# Altium PCB STANDBY_POWER_SUPPLY_V2.PcbDoc
Units mm, origin at the board's own origin, x right, y up, seen from the top; angles counter-clockwise.
Board outline 91 x 55 mm, 2 copper layers (Top Layer, Bottom Layer), stack 1.071 mm thick; 59 components, 35 nets, 137 pads, 19 vias.
Unrouted connection lines stored in the file: 1.
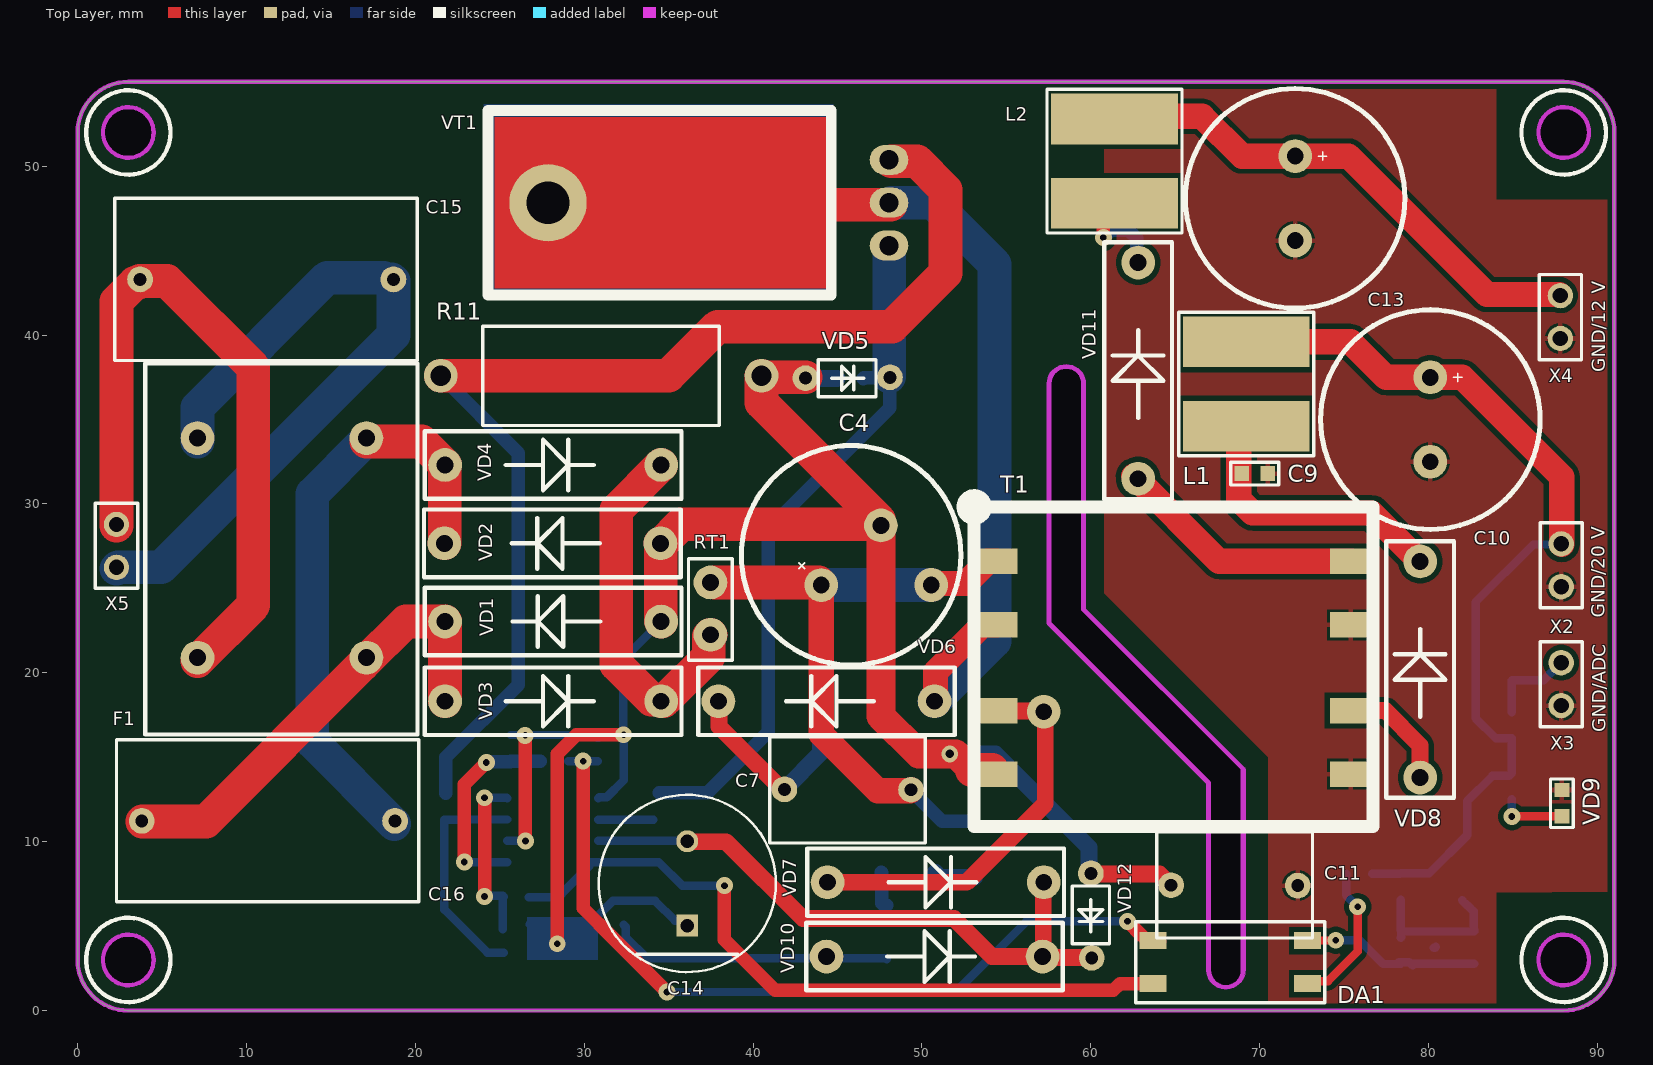
[diagram p0: Top Layer view]
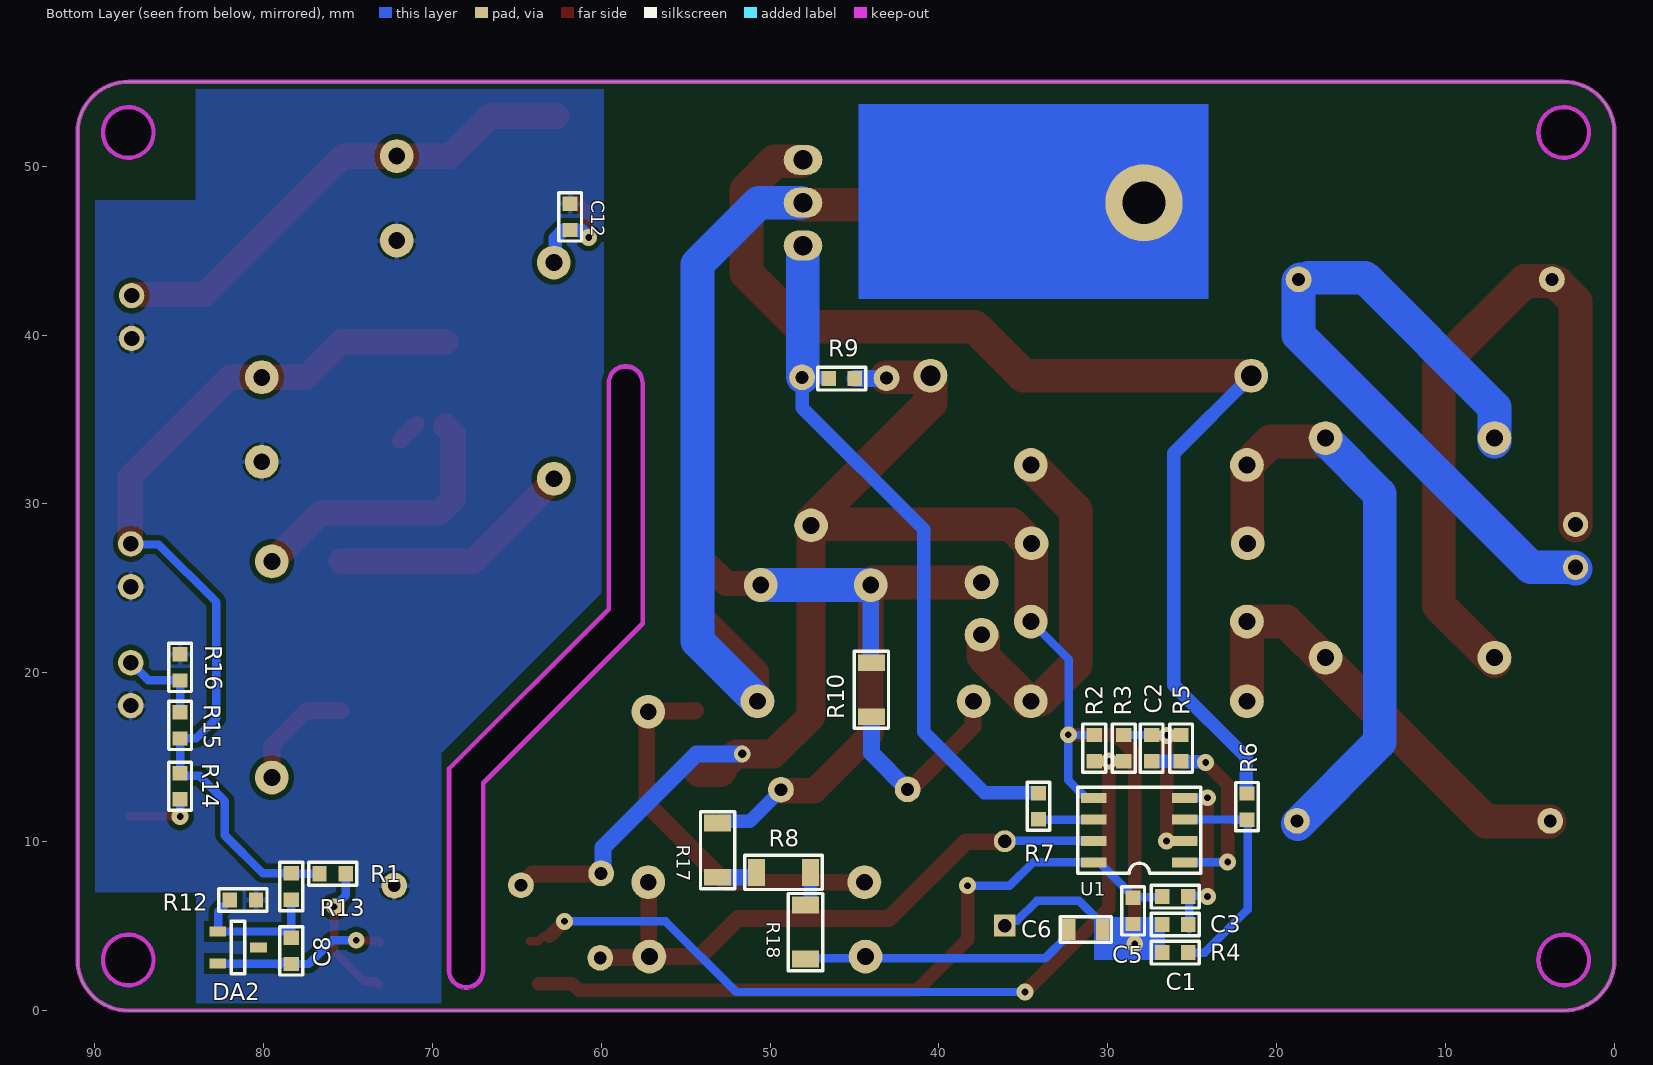
[diagram p1: Bottom Layer view, seen from below]
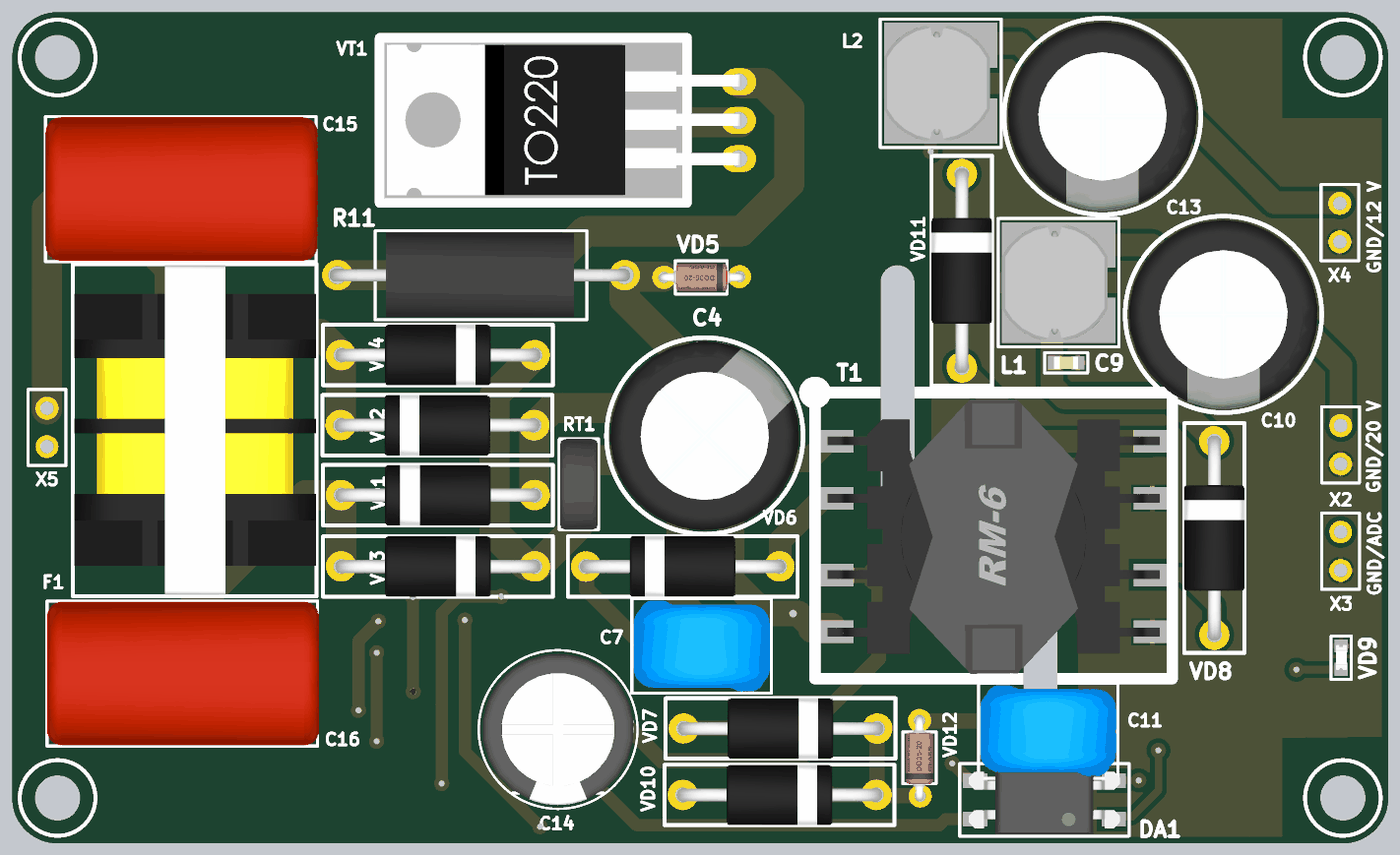
[diagram p2: 3D render of the assembled board from above, using the file's embedded part models]
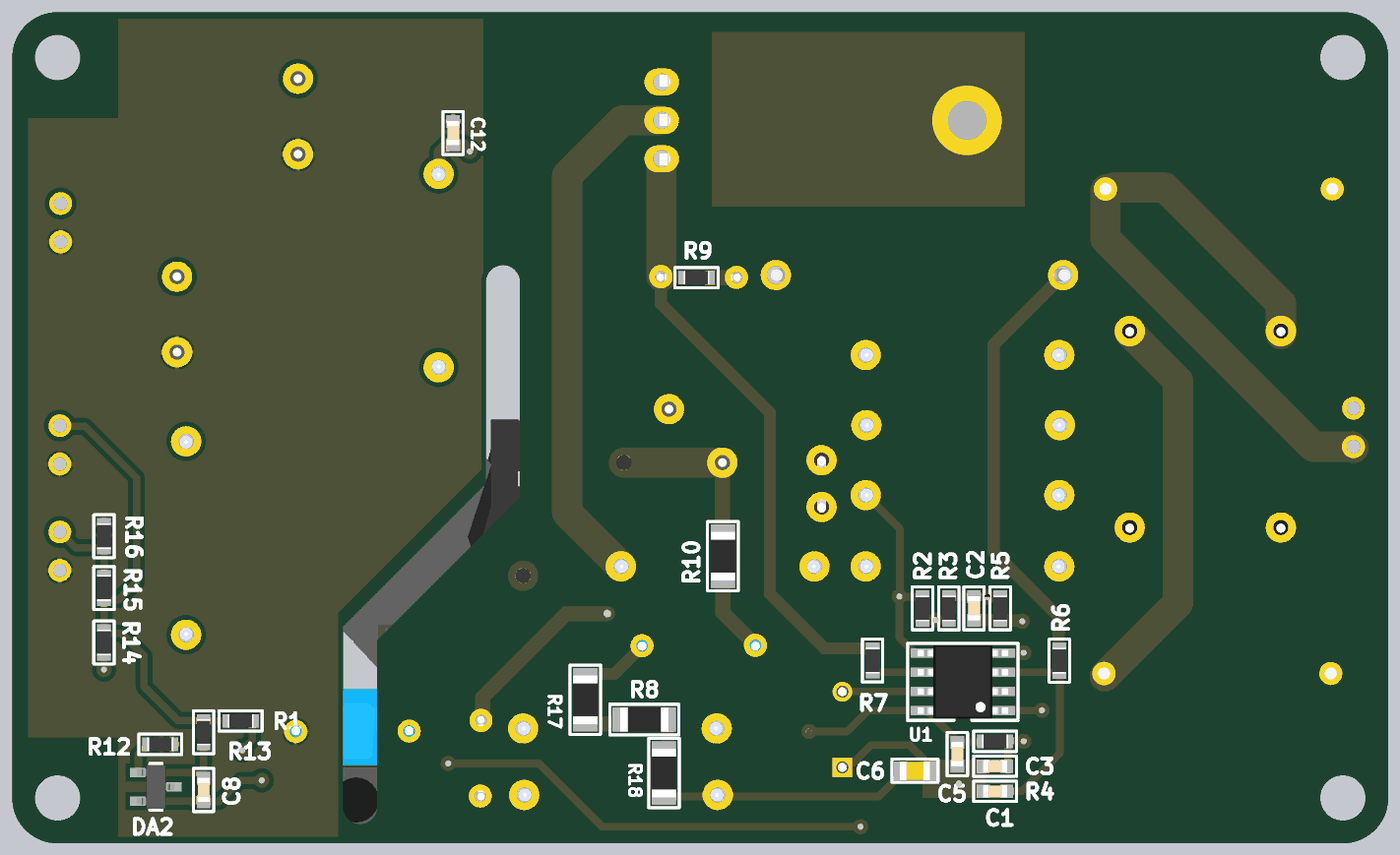
[diagram p3: 3D render of the assembled board from below, using the file's embedded part models]

## Layer stack, top to bottom
Top Solder: solder mask 0.0102, Solder Resist, Dk 3.5
Top Layer: signal copper 0.0356
Dielectric 1: dielectric 1, FR-4, Dk 4.8
Bottom Layer: signal copper 0.0356
Bottom Solder: solder mask 0.0102, Solder Resist, Dk 3.5

## Board outline
0,3 ccw(c3,3) 3,0 2.986,0.004 88,0.004 88,0 ccw(c88,3) 91,3 91,52 ccw(c88,52) 88,55 3,55 ccw(c3,52) 0,52
cut-out: 1.5,3 ccw(c3,3) 3,1.5 ccw(c3,3) 4.5,3 ccw(c3,3) 3,4.5 ccw(c3,3)
cut-out: 1.5,52 ccw(c3,52) 3,50.5 ccw(c3,52) 4.5,52 ccw(c3,52) 3,53.5 ccw(c3,52)
cut-out: 86.5,3 ccw(c88,3) 88,1.5 ccw(c88,3) 89.5,3 ccw(c88,3) 88,4.5 ccw(c88,3)
cut-out: 86.5,52 ccw(c88,52) 88,50.5 ccw(c88,52) 89.5,52 ccw(c88,52) 88,53.5 ccw(c88,52)
cut-out: 66.873,2.4 cw(c67,2.4) 66.873,2.414 66.873,13.446 57.457,22.863 cw(c57.547,22.953) 57.419,22.953 57.419,37.135 cw(c58.547,37.135) 59.674,37.135 59.674,23.806 69.09,14.39 cw(c69,14.3) 69.127,14.3 69.127,2.36 cw(c69,2.36) 69.126,2.339 cw(c68,2.4) 66.874,2.355 cw(c68.001,2.4)

## Design rules (kind name [scope] priority, off if disabled: settings)
Clearance [All] p1: gap=0.3 ignorepadtopadclearanceinfootprint=FALSE except(0.2: Arc-Arc Arc-Track Track-Track)
DiffPairsRouting [All] p1: maxlimit=0.254 minlimit=0.254 mostfreqgap=0.254 substack1={A23D90DD-733B-49C5-8102-56B3D284E3A0} toplayer_{a23d90dd-733b-49c5-8102-56b3d284e3a0}_minwidth=0.381 toplayer_{a23d90dd-733b-49c5-8102-56b3d284e3a0}_maxwidth=0.381 toplayer_{a23d90dd-733b-49c5-8102-56b3d284e3a0}_prefwidth=0.381 bottomlayer_{a23d90dd-733b-49c5-8102-56b3d284e3a0}_minwidth=0.381 bottomlayer_{a23d90dd-733b-49c5-8102-56b3d284e3a0}_maxwidth=0.381 bottomlayer_{a23d90dd-733b-49c5-8102-56b3d284e3a0}_prefwidth=0.381 toplayer_minwidth=0.381 toplayer_maxwidth=0.381 toplayer_prefwidth=0.381 bottomlayer_minwidth=0.381 bottomlayer_maxwidth=0.381 bottomlayer_prefwidth=0.381 substack2={0B3DB408-A969-412D-8C07-BA8AE97219D9} toplayer_{0b3db408-a969-412d-8c07-ba8ae97219d9}_minwidth=0.381 toplayer_{0b3db408-a969-412d-8c07-ba8ae97219d9}_maxwidth=0.381 toplayer_{0b3db408-a969-412d-8c07-ba8ae97219d9}_prefwidth=0.381 bottomlayer_{0b3db408-a969-412d-8c07-ba8ae97219d9}_minwidth=0.381 bottomlayer_{0b3db408-a969-412d-8c07-ba8ae97219d9}_maxwidth=0.381 bottomlayer_{0b3db408-a969-412d-8c07-ba8ae97219d9}_prefwidth=0.381 substack3={378827E6-B38F-4565-9D2F-710D8D441C30} toplayer_{378827e6-b38f-4565-9d2f-710d8d441c30}_minwidth=0.381 toplayer_{378827e6-b38f-4565-9d2f-710d8d441c30}_maxwidth=0.381 toplayer_{378827e6-b38f-4565-9d2f-710d8d441c30}_prefwidth=0.381 bottomlayer_{378827e6-b38f-4565-9d2f-710d8d441c30}_minwidth=0.381 bottomlayer_{378827e6-b38f-4565-9d2f-710d8d441c30}_maxwidth=0.381 bottomlayer_{378827e6-b38f-4565-9d2f-710d8d441c30}_prefwidth=0.381 substack4={1E65D4A7-266F-4925-B814-5E9C4A66F8EE} toplayer_{1e65d4a7-266f-4925-b814-5e9c4a66f8ee}_minwidth=0.381 toplayer_{1e65d4a7-266f-4925-b814-5e9c4a66f8ee}_maxwidth=0.381 toplayer_{1e65d4a7-266f-4925-b814-5e9c4a66f8ee}_prefwidth=0.381 bottomlayer_{1e65d4a7-266f-4925-b814-5e9c4a66f8ee}_minwidth=0.381 bottomlayer_{1e65d4a7-266f-4925-b814-5e9c4a66f8ee}_maxwidth=0.381 bottomlayer_{1e65d4a7-266f-4925-b814-5e9c4a66f8ee}_prefwidth=0.381 substack5={93C5D03E-862D-45F8-9871-970EEA9B3F11} toplayer_{93c5d03e-862d-45f8-9871-970eea9b3f11}_minwidth=0.381 toplayer_{93c5d03e-862d-45f8-9871-970eea9b3f11}_maxwidth=0.381 toplayer_{93c5d03e-862d-45f8-9871-970eea9b3f11}_prefwidth=0.381 bottomlayer_{93c5d03e-862d-45f8-9871-970eea9b3f11}_minwidth=0.381 bottomlayer_{93c5d03e-862d-45f8-9871-970eea9b3f11}_maxwidth=0.381 bottomlayer_{93c5d03e-862d-45f8-9871-970eea9b3f11}_prefwidth=0.381 maxuncoupledlength=12.7
HoleSize [All] p1: absolutevalues=TRUE maxlimit=6 minlimit=0.01 maxpercent=80.000 minpercent=20.000
HoleToHoleClearance [All] p1: gap=0.1 allowstackedmicrovias=TRUE
MinimumSolderMaskSliver [All] p1: minsoldermaskwidth=0.1
PlaneConnect [All] p1: pad.planeconnectstyle=Relief pad.reliefexpansion=0.5 pad.reliefentries=4 pad.reliefconductorwidth=0.5 pad.reliefairgap=0.15 via.planeconnectstyle=Direct via.reliefexpansion=0.5 via.reliefentries=4 via.reliefconductorwidth=0.5 via.reliefairgap=0.15
PolygonConnect VQFN20 [HasFootprint('VQFN20')] p1: connectstyle=Direct reliefconductorwidth=0.254 reliefentries=4 polygonreliefangle="90 Angle" airgapwidth=0.254
PolygonConnect [All] p2: thpad.connectstyle=Relief thpad.reliefconductorwidth=0.3 thpad.reliefentries=4 thpad.polygonreliefangle="90 Angle" thpad.airgapwidth=0.15 smdpad.connectstyle=Relief smdpad.reliefconductorwidth=0.3 smdpad.reliefentries=4 smdpad.polygonreliefangle="90 Angle" smdpad.airgapwidth=0.15 via.connectstyle=Direct via.reliefconductorwidth=0.3 via.reliefentries=4 via.polygonreliefangle="90 Angle" via.airgapwidth=0.15
RoutingVias [All] p1: holewidth=0.1 width=0.1 viastyle="Through Hole" minholewidth=0 minwidth=0.3 maxholewidth=2 maxwidth=4
ShortCircuit [All] p1: allowed=TRUE
SilkToSolderMaskClearance [IsPad] p1: minsilkscreentomaskgap=0.1 clearancetoexposedcopper=TRUE
SolderMaskExpansion SolderMaskExpansion_Via [IsVia] p1: expansion=0.102 istentingtop=TRUE
SolderMaskExpansion [All] p2: expansion=0.01 istentingtop=FALSE
UnRoutedNet [All] p1: checkbadconnections=TRUE
Width [All] p1: maxlimit=5 minlimit=0.2 preferedwidth=0.3 substack1={A23D90DD-733B-49C5-8102-56B3D284E3A0} substack2={0B3DB408-A969-412D-8C07-BA8AE97219D9} substack3={378827E6-B38F-4565-9D2F-710D8D441C30} substack4={1E65D4A7-266F-4925-B814-5E9C4A66F8EE} substack5={93C5D03E-862D-45F8-9871-970EEA9B3F11}
22 further rules are at their usual default settings.

## Components (designator, comment, footprint, x,y, rotation, side; value= is the part's Value field where it differs from the comment)
C1 "CAP-NON-POLAR" CAP-0603 26,3.438 r180 bottom value="50V 47pF"
C2 "CAP-NON-POLAR" CAP-0603 27.4,15.545 r270 bottom value="50V 10nF"
C3 "CAP-NON-POLAR" CAP-0603 26,5.1 r180 bottom value="50V 100nF"
C4 "CAP-POLAR" CAPPOL-12x25 45.8,26.963 r45 top value="450V 10uF"
C5 "CAP-NON-POLAR" CAP-0603 28.5,5.9 r270 bottom value="50V 10nF"
C6 "50V 10nF" CAP-0805 31.3,4.8 r180 bottom value="50V 100nF"
C7 "CAP-NON-POLAR" CAP-V5 45.6,13.05 r0 top value="400V 10nF"
C8 "CAP-NON-POLAR" CAP-0603 78.346,3.533 r270 bottom value="50V 47nF"
C9 "CAP-NON-POLAR" CAP-0603 69.7,31.8 r180 top value="50V 1uF"
C10 "CAP-POLAR" CAPPOL-12x25 80.1,35 r270 top value="25V 2200uF"
C11 "CAP-NON-POLAR" CAP-V5 68.5,7.45 r180 top value="400V 2200pF"
C12 "CAP-NON-POLAR" CAP-0603 61.84,47 r270 bottom value="50V 1uF"
C13 "CAP-POLAR" CAPPOL-12x25 72.1,48.1 r270 top value="25V 2200uF"
C14 "ECA1VHG471B" FP-RAD-TH-D_10_0_5-L_16_1-MFG 36.1,7.529 r90 top
C15 "CAP-NON-POLAR" CAP-V15 11.2,43.3 r180 top value="630V 100nF"
C16 "CAP-NON-POLAR" CAP-V15 11.3,11.235 r180 top value="630V 100nF"
DA1 "PC817" 4-SMD 68.259,2.87 r180 top
DA2 "TL431" SOT23-3 81.5,3.735 r180 bottom
F1 "FILTER" FILTER_1 12.1,27.4 r90 top value=0,65A
L1 "IND-CONST" IND-7850 69.2,37.1 r90 top value=33uH
L2 "IND-CONST" IND-7850 61.4,50.3 r90 top value=33uH
R1 "RES-CONST" RES-0603 75.9,8.1 r180 bottom value="3.3KΩ ±1%"
R2 "RES-CONST" RES-0603 30.8,15.545 r270 bottom value="220 Ω ±1%"
R3 "RES-CONST" RES-0603 29.055,15.545 r90 bottom value="3.9KΩ  ±1%"
R4 "RES-CONST" RES-0603 26,6.75 r180 bottom value="680 Ω  ±1%"
R5 "RES-CONST" RES-0603 25.655,15.545 r270 bottom value="100KΩ ±1%"
R6 "RES-CONST" RES-0603 21.755,12.085 r90 bottom value="1KΩ ±1%"
R7 "RES-CONST" RES-0603 34.1,12.1 r90 bottom value="22 Ω ±1%"
R8 "RES-CONST" RES-1206 49.2,8.189 r180 bottom value="33KΩ ±1%"
R9 "RES-CONST" RES-0603 45.749,37.427 r0 bottom value="10KΩ ±1%"
R10 "RES-CONST" RES-1206 44,19 r90 bottom value="22KΩ ±1%"
R11 "RES-CONST" RES-2W 31,37.6 r180 top value="2.2Ω  2W"
R12 "RES-CONST" RES-0603 81.21,6.549 r0 bottom value="4.7KΩ ±1%"
R13 "RES-CONST" RES-0603 78.346,7.349 r90 bottom value="33KΩ ±1%"
R14 "RES-CONST" RES-0603 84.93,13.29 r90 bottom value="2.7KΩ ±1%"
R15 "RES-CONST" RES-0603 84.93,16.89 r270 bottom value="100KΩ ±1%"
R16 "RES-CONST" RES-0603 84.93,20.323 r270 bottom value="10KΩ ±1%"
R17 "RES-CONST" RES-1206 53.1,9.5 r270 bottom value="33KΩ ±1%"
R18 "RES-CONST" RES-1206 47.9,4.65 r270 bottom value="33KΩ ±1%"
RT1 "RES-TEMP" RES-V5 37.475,23.753 r270 top value="10Ω ±1% 0,7A"
T1 "TRANS_RM6" TRANS_RM6 64.9,20.3 r0 top locked value=XX
U1 "UC3842B" SOIC8-150 28.134,10.68 r0 bottom
VD1 "FR207" FR207 28.155,23.04 r0 top value="1000V 2A"
VD2 "FR207" FR207 28.115,27.67 r0 top value="1000V 2A"
VD3 "FR207" FR207 28.155,18.32 r180 top value="1000V 2A"
VD4 "FR207" FR207 28.155,32.31 r180 top value="1000V 2A"
VD5 "DIODE" DO-35 45.6,37.45 r180 top value="15V 2W"
VD6 "FR207" FR207 44.343,18.32 r0 top locked value="1000V 2A"
VD7 "FR207" FR207 50.812,7.6 r180 top value="1000V 2A"
VD8 "FR207" FR207 79.5,20.2 r270 top value="1000V 2A"
VD9 "LED" LED-0603 87.891,12.29 r270 top value=RED
VD10 "FR207" FR207 50.743,3.2 r180 top value="1000V 2A"
VD11 "FR207" FR207 62.8,37.895 r270 top value="1000V 2A"
VD12 "DIODE" DO-35 60,5.625 r90 top value="15V 2W"
VT1 "MOSFET-N-GDS" TO-220(bend2) 36.872,47.586 r90 top value="200V 18A"
X2 "GND/20 V" CONN-PLS-2-2.54mm 87.852,27.64 r270 top value=PLS
X3 "GND/ADC" CONN-PLS-2-2.54mm 87.852,20.6 r270 top value=PLS
X4 "GND/12 V" CONN-PLS-2-2.54mm 87.8,42.34 r270 top value=PLS
X5 "IN 220" CONN-PLS-2-2.54mm 2.3,26.25 r90 top value=PLS

## Footprints (in the part's own frame and the unit in brackets; to place one, negate y for a bottom-side part, rotate by r counter-clockwise, add the part's x,y. Pads: shape width x height; smd on the part's side, far side on the other; paste and mask are expansions set on the pad)
4-SMD [mm]
  rect 1.6x1 smd: 1(-4.575,1.27) 2(-4.575,-1.27) 3(4.575,-1.27) 4(4.575,1.27)
  silkscreen extent -5.6,-2.4 5.6,2.4, body extent -5,-2.29 5,2.29, height 3.85
CAP-0603 [mm]
  rect 0.85x0.9 smd: 1(-0.775,0) 2(0.775,0)
  silkscreen extent -1.43,-0.67 1.43,0.67, body extent -0.8,-0.4 0.8,0.4, height 0.8
CAP-0805 [mm]
  rect 0.8x1.25 smd mask+0.015: 1(-1,0) 2(1,0)
  silkscreen extent -1.52,-0.76 1.52,0.76, body extent -1,-0.62 1,0.63, height 0.8
CAP-V5 [mil]
  round 60 hole 30: 1(-147.64,1.97) 2(147.64,0.98)
  silkscreen extent -182,-123 181,124, body extent -177,-118 177,118, height 630
CAP-V15 [mil]
  round 60 hole 30: 1(-295.28,0) 2(295.28,0)
  silkscreen extent -350,-189 354,189, body extent -354,-187 354,187, height 650
CAPPOL-12x25 [mm]
  round 2 hole 1: 1(-2.5,0) 2(2.5,0)
  silkscreen extent -6.5,-6.5 6.5,6.5, body extent -6.25,-6.25 6.25,6.25, height 25
CONN-PLS-2-2.54mm [mm]
  round 1.5 hole 0.9: 1(0,0) 2(2.54,0)
  silkscreen extent -1.25,-1.25 3.79,1.25
DO-35 [mil]
  round 60 hole 30: 1(-98.43,-1.97) 2(98.43,0)
  silkscreen extent -66,-43 69,43, body extent -111,-35 111,35, height 72
FILTER_1 [mm]
  round 2 hole 1: 1(-6.5,5) 2(6.5,5) 3(6.5,-5) 4(-6.5,-5)
  silkscreen extent -11.05,-8.03 10.92,8.1, body extent -10.95,-8 10.85,8, height 24.48
FP-RAD-TH-D_10_0_5-L_16_1-MFG [mm]
  rect 1.3x1.3 hole 0.8 paste-1000 mask+0: 1(-2.5,0)
  round 1.3 hole 0.8 paste-1000 mask+0: 2(2.5,0)
  silkscreen extent -5.25,-5.25 5.25,5.25, body extent -5.35,-5.35 5.35,5.35, height 0.25
FR207 [mm]
  round 2 hole 1: 1(-6.4,0) 2(6.4,0)
  silkscreen extent -7.6,-2 7.6,2, body extent -6.78,-2 6.78,2, height 4.5
IND-7850 [mm]
  rect 3x7.5 smd: 1(-2.5,0) 2(2.5,0)
  silkscreen extent -4.25,-4 4.25,4, body extent -3.81,-3.25 3.81,3.75, height 4.9
LED-0603 [mm]
  rect 0.85x0.9 smd: 1(-0.775,0) 2(0.775,0)
  silkscreen extent -1.43,-0.67 1.45,0.67, body extent -0.82,-0.36 0.83,0.36, height 0.68
RES-2W [mm]
  round 2 hole 1.2: 1(-9.5,0) 2(9.5,0)
  silkscreen extent -7,-2.93 7,2.95, body extent -9.86,-2.79 10.01,2.79, height 5.59
RES-0603 [mm]
  rect 0.85x0.9 smd: 1(-0.775,0) 2(0.775,0)
  silkscreen extent -1.43,-0.67 1.43,0.67, body extent -0.85,-0.45 0.85,0.45, height 0.55
RES-1206 [mm]
  rect 1x1.6 smd: 1(-1.6,0) 2(1.6,0)
  silkscreen extent -2.29,-1.02 2.29,1.02, body extent -1.6,-0.8 1.6,0.8, height 0.6
RES-V5 [mm]
  round 2 hole 1: 1(-1.6,0) 2(1.5,0)
  silkscreen extent -3,-1.3 3,1.3, body extent -3,-1.25 3,1.25, height 14
SOIC8-150 [mm]
  rect 1.5x0.6 smd: 1(-2.7,1.905) 2(-2.7,0.635) 3(-2.7,-0.635) 4(-2.7,-1.905) 5(2.7,-1.905) 6(2.7,-0.635) 7(2.7,0.635) 8(2.7,1.905)
  silkscreen extent -3.65,-2.55 3.65,2.55, body extent -3,-2.45 3,2.45, height 1.75
SOT23-3 [mm]
  rect 1x0.6 smd: 1(-1.2,0.95) 2(-1.2,-0.95) 3(1.2,0)
  silkscreen extent -0.4,-1.55 0.4,1.55, body extent -1.25,-1.46 1.23,1.46, height 1.02
TO-220(bend2) [mil]
  oval 70x90 hole 45: 1(-90,-440) 2(10,-440) 3(110,-440)
  round 180 hole 100: 2(10,355)
  Top Layer region: -190.01,-300 209.99,-300 209.99,480 -190.01,480
  Bottom Layer region: -215.01,-310 239.99,-310 239.99,505 -215.01,505
  silkscreen extent -205,-305 225,495, body extent -185,-446 208,476, height 179
TRANS_RM6 [mm]
  rect 2.5x1.5 smd: 1(-10.5,6.3) 2(-10.5,2.54) 3(-10.5,-2.54) 4(-10.5,-6.3) 5(10.5,-6.3) 6(10.5,-2.54) 7(10.5,2.54) 8(10.5,6.3)
  silkscreen extent -12.51,-9.4 11.81,10.22, body extent -11,-9.08 11,9.08, height 12.68

## Part data
C1 C2 C3 C5 C8 C9 C12 L1 L2 R7 VD9: library part 2, Part Number=2, №=2
  L1 L2: ID=L-0002
  R7: ID=R-0002
  VD9: ID=O-0002
C4: library part 15, Part Number=15, №=15
C6: library part 17, Part Number=17, №=17
C7 C11: library part 6, Part Number=6, №=6
C10 C13: library part 16, Part Number=16, №=16
C14: library part CMP-05427-001499-1, "Aluminum Electrolytic Capacitors (Radial Lead Type) AEC-Q200 Qualified 470uF ±20% 35V", Capacitance=470uF, Case/Package=Radial, Max Operating Temperature=105°C, Min Operating Temperature=-55°C, Package Quantity=500, Ripple Current=460mA, Tolerance=20%, Voltage Rating=35V, Construction=RADIAL, Contact Plating=Tin, Diameter=10mm, Height=16mm, Height - Seated (Max)=0.669inch, Lead Diameter=0.6mm, Lead Pitch=5mm, Lead/Base Style=Straight, Length=16mm, Life (Hours)=2000Hour, Mount="Through Hole", Packaging="Tape and Reel", Polarity=Polar, Radiation Hardening=No, RoHS Compliant=Yes, Series=NHG, Termination=Radial, Voltage Rating (DC)=35V
C15 C16: library part 18, Part Number=18, №=18
DA1 X2 X3 X4 X5: library part 1, Part Number=1, №=1
  DA1: ID=O-0001
  X2 X3 X4 X5: ID=X-0001
F1: library part DSF9L223А025, ID=M-0004, Part Number=DSF9L223А025, №=4
R1: library part 40, ID=R-0040, Part Number=40, №=40
R2: library part 22, ID=R-0022, Part Number=22, №=22
R3: library part 41, ID=R-0041, Part Number=41, №=41
R4: library part 33, ID=R-0033, Part Number=33, №=33
R5 R15: library part 73, ID=R-0073, Part Number=73, №=73
R6: library part 37, ID=R-0037, Part Number=37, №=37
R8 R17 R18: library part 206, ID=R-0206, Part Number=206, №=206
R9 R16: library part 50, ID=R-0050, Part Number=50, №=50
R10: library part 207, ID=R-0207, Part Number=207, №=207
R11: library part 205, ID=R-0205, Part Number=205, №=205
R12: library part 42, ID=R-0042, Part Number=42, №=42
R13: library part 62, ID=R-0062, Part Number=62, №=62
R14: library part 39, ID=R-0039, Part Number=39, №=39
RT1: library part KLS6-MF72-10D5, ID=R-0208, Part Number=KLS6-MF72-10D5, №=208
T1: library part 4, Part Number=4, №=4
VD5 VD12: library part BZX55C15V, ID=D-0755, Part Number=BZX55C15V, №=13
VT1: library part IRF640_, ID=T-0008, Part Number=IRF640_, №=8
DA2: ID=I-0009, Part Number=TL431, №=9
U1: ID=I-0005, Part Number=UC3842B, №=5
VD1 VD2 VD3 VD4 VD6 VD7 VD8 VD10 VD11: ID=D-0754, Part Number=FR207, №=12

## Via types
v1: diameter 1, hole 0.4, Top Layer to Bottom Layer, tented both sides, 16 vias
v2: diameter 2, hole 1, Top Layer to Bottom Layer, tented both sides, 2 vias
v3: diameter 1, hole 0.5, Top Layer to Bottom Layer, tented both sides, 1 vias

## Nets (pads, with @x,y where several pads share a name; then routed paths per layer and width w, separated by ;. In a path a pad name is that pad's centre, name@x,y a point inside that pad or via, vN(x,y) a via of type N, cw(c..) or ccw(c..) an arc to the next point about the centre after c; other vN are vias at no path point)
+20V: C10.1 L1.2 R1.1 R13.2 R14.2 R15.2 X2.1 | length 56
  Top Layer w1.5: L1.2 75.383,39.6 77.483,37.5 82,37.5 87.879,31.621 X2.1@87.879,27.614
  Bottom Layer w0.5: R1.1 78.322,8.1 R13.2 80.024,8.124 82.285,10.385 82.285,12.405 83.78,13.9 84.765,13.9 R14.2 R15.2 83.985,16.115 82.785,17.315 82.785,24.185 86.2,27.6 87.812,27.6 X2.1
+300V: C4.1 C7.2 R10.2 R17.1 RT1.1 T1.1 | length 41.7
  Top Layer w1.5: RT1.1@37.676,25.409 RT1.1@37.731,25.353 ; C4.1@43.874,25.353 C4.1 44.032,16.368 47.375,13.025 49.3,13.025 C7.2 ; v2(50.546,25.195) 50.642,25.291 52.591,25.291 53.9,26.6 T1.1
  Top Layer w2: RT1.1@37.731,25.353 C4.1@43.874,25.353
  Bottom Layer w0.8: C7.2@49.65,12.75 51.2,11.2 53,11.2 R17.1
  Bottom Layer w1: R10.2 44.032,20.6 C4.1
  Bottom Layer w2: C4.1 v2(50.546,25.195)
GND: C1.1 C3.1 C4.2 C5.2 C6.2 C11.2 C14.1 R2.1 R9.1 R11.1 T1.4 U1.5 VD1.2 VD2.2 VD5.2 VD12.2 | length 111.2
  Top Layer w0.8: v1(28.4,3.956) 28.4,15.2 29.537,16.337 v1(32.334,16.337)
  Top Layer w1: VD12.2@60.025,8.1 64.075,8.1 C11.2
  Top Layer w1.7: C4.2 47.568,17.432 49.8,15.2 52,15.2 52.95,14.25
  Top Layer w2: VD1.2 34.535,23.06 34.535,27.65 VD2.2 34.601,27.67 35.731,28.8 47.3,28.8 C4.2@47.376,28.876 ; VD5.2@43.1,37.5 40.6,37.5 R11.1 40.5,36 47.472,29.028 47.472,28.826 C4.2@47.5,28.798 ; 52.95,14.25 T1.4@54.15,14.25
  Bottom Layer w0.5: C3.1 26.775,5.125 26.8,5.15 27.134,5.15 27.159,5.175 28.14,5.175 28.166,5.2 C5.2@28.3,5.2 ; v1(28.4,3.956) 28.7,4.256 v1@28.7,4.275 ; C5.2@28.55,5.2 28.834,5.2 28.86,5.175 30.449,5.175 30.45,5.265 31.685,6.5 34.2,6.5 35.37,5.33 36.07,5.33 C14.1@36.4,5 ; R2.1 v1@32.317,16.32 ; U1.5 30.884,12.635 31.334,12.635 32.334,13.635 v1(32.334,16.337) 32.3,16.372 32.3,20.785 VD1.2
  Bottom Layer w0.8: R2.1@30.783,16.337 R2.1 ; v1@32.317,16.32 v1(32.334,16.337)
  Bottom Layer w1: VD5.2 43.123,37.427 R9.1 ; v3(51.643,15.2) 54.35,15.2 59.9,9.65 59.9,8.225 VD12.2
GND_1: C9.1 C10.2 C11.1 C12.1 C13.2 DA2.3 R12.1 R16.1 T1.5 T1.7 VD9.1 X2.2 X3.2 X4.2 | length 0.7
  Top Layer w0.5: X3.2@87.727,18.185 X3.2
  Top Layer w0.8: C10.2@79.87,32.73 C10.2
  Bottom Layer w0.5: DA2.3 80.385,3.735 DA2.3@80.435,3.785
NetC1_2: C1.2 R6.1 U1.3 | length 13.5
  Bottom Layer w0.5: R6.1@21.715,11.31 21.715,5.985 24.262,3.438 C1.2 ; R6.1 22.575,11.31 ; 22.6,11.31 22.605,11.315 U1.3
NetC2_1: C2.1 R3.2 R5.1 U1.2 | length 10.7
  Top Layer w0.8: v1(26.5,16.3) 26.509,16.291 26.509,10.054 v1(26.517,10.045)
  Bottom Layer w0.5: U1.2 v1(26.517,10.045) ; R5.1 R3.2
NetC2_2: C2.2 R5.2 U1.1 | length 12.2
  Top Layer w0.8: v1(22.9,8.8) 22.9,13.391 v1(24.204,14.695)
  Bottom Layer w0.5: v1(22.9,8.8) 22.912,8.788 25.422,8.788 U1.1
  Bottom Layer w0.8: v1(24.204,14.695) 24.254,14.745 25.63,14.745 R5.2 C2.2
NetC3_2: C3.2 R4.2 U1.4 | length 10.3
  Top Layer w0.8: v1(24.1,6.75) v1(24.1,12.606)
  Bottom Layer w0.5: v1(24.1,6.75) 24.154,6.75 24.204,6.8 25.175,6.8 R4.2 ; v1(24.1,12.606) 24.111,12.596 25.424,12.596 U1.4 ; C3.2@25.163,4.813 25.163,6.687 R4.2@25.175,6.7
NetC5_1: C5.1 DA1.4 R4.1 U1.8 | length 43.1
  Top Layer w0.8: v1(38.3,7.4) 38.3,4.2 41.3,1.2 61.332,1.2 61.732,1.6 DA1.4
  Bottom Layer w0.5: R4.1@26.725,6.7 28.5,6.7 C5.1@28.5,6.75 ; C5.1@28.5,6.775 28.525,6.775 28.7,6.95 28.7,6.975 30.334,8.609 30.334,8.725 30.384,8.775 U1.8 34.425,8.775 35.8,7.4 v1(38.3,7.4)
NetC6_1: C6.1 R18.2 VD10.2 | length 16.9
  Bottom Layer w0.5: C6.1@32.334,5.085 32.45,4.969 32.45,4.35 33.7,3.1 VD10.2@44.443,3.1 ; VD10.2 VD10.2@44.443,3.1 ; R18.2 47.85,3.1 VD10.2@44.443,3.1
NetC7_1: C7.1 R10.1 VD6.1 | length 12.1
  Top Layer w1: VD6.1@37.9,18.277 37.979,18.198 37.979,16.821 41.438,13.362 41.446,13.362 41.708,13.1 C7.1
  Bottom Layer w1: C7.1 44,15.25 R10.1
NetC8_1: C8.1 DA2.1 R12.2 R13.1 | length 8.7
  Bottom Layer w0.5: C8.1 78.385,4.347 78.385,4.685 DA2.1 82.7,4.798 82.663,4.835 82.663,5.871 82.285,6.249 82.26,6.249 81.985,6.524 R12.2 ; 78.346,4.767 R13.1
NetC8_2: C8.2 DA1.2 DA2.2 | length 10.4
  Top Layer w0.5: DA1.2@73.111,4.035 73.229,4.153 74.488,4.153 v1(74.5,4.165)
  Bottom Layer w0.5: v1(74.5,4.165) 75.91,4.165 77.317,2.758 C8.2 ; C8.2@78.234,2.87 78.864,2.87 79.055,2.679 ; 79.055,2.785 DA2.2
NetC9_2: C9.2 L1.1 VD8.1 | length 18.2
  Top Layer w1: L1.1@70.919,34.724 L1.1@71.9,33.743
  Top Layer w1.5: L1.1 68.75,34.15 68.75,31.8 68.75,30.295 69.575,29.47 76.63,29.47 VD8.1
NetC12_2: C12.2 L2.1 VD11.1 | length 6.2
  Top Layer w0.8: v1(60.74,45.775) 60.74,47.14 L2.1 ; VD11.1@62.793,44.302 VD11.1
  Bottom Layer w0.8: v1(60.74,45.775) 61.165,46.2 61.815,46.2 C12.2 ; C12.2@61.84,46.25 61.89,46.2 62.256,46.2 62.725,45.731 62.725,44.37 VD11.1
NetC13_1: C13.1 L2.2 X4.1 | length 29.5
  Top Layer w1.5: L2.2@62.612,52.956 66.594,52.956 68.95,50.6 C13.1 75.26,50.6 83.46,42.4 X4.1@87.74,42.4
NetC14_2: C14.2 U1.7 VD7.1 VD10.1 VD12.1 | length 36.4
  Top Layer w1: C14.2@36.4,10 38.4,10 42.95,5.45 51.885,5.45 54.135,3.2 56.85,3.2 VD10.1 57.182,3.239 VD7.1@57.182,7.57 ; VD10.1@57.143,3.15 57.85,3.15 59.094,3.15 ; 59.144,3.15 60.025,3.15 VD12.1
  Bottom Layer w0.5: U1.7 C14.2@36.443,10.045
NetC15_1: C15.1 F1.2 X5.1 | length 42.2
  Bottom Layer w2: X5.1@2.296,26.17 2.376,26.25 4.95,26.25 18.7,40 18.7,43.2 18.6,43.3 18.229,43.3 18.129,43.4 14.779,43.4 7.1,35.721 F1.2@7.1,33.7
NetC15_2: C15.2 F1.1 X5.2 | length 42.8
  Top Layer w2: X5.2@2.296,28.71 2.296,41.996 3.4,43.1 3.6,43.1 3.7,43.2 5.3,43.2 10.4,38.1 10.4,24 F1.1@7.1,20.7
NetC16_1: C16.1 F1.3 VD2.1 VD4.2 | length 36.1
  Top Layer w2: F1.3@17.1,33.7 20.365,33.7 VD4.2 21.735,32.29 21.735,27.69 VD2.1
  Bottom Layer w1: VD4.2@21.484,32.31 VD4.2
  Bottom Layer w2: F1.3@17,33.7 13.9,30.6 13.9,15.9 C16.1@18.745,11.055
NetC16_2: C16.2 F1.4 VD1.1 VD3.2 | length 27.5
  Top Layer w2: C16.2@3.835,11.2 7.6,11.2 16.881,20.481 19.44,23.04 VD1.1 VD3.2
NetDA1_1: DA1.1 R1.2 | length 8.3
  Top Layer w0.5: DA1.1@73.169,1.534 73.383,1.747 74.047,1.747 75.8,3.5 v1(75.8,6.149)
  Bottom Layer w0.5: R1.2 75.125,6.824 v1(75.8,6.149)
NetDA1_3: DA1.3 R2.2 R3.1 | length 49
  Top Layer w0.5: DA1.3@63.06,4.39 63.434,4.39 DA1.3 ; DA1.3@63.684,4.1 DA1.3@64.242,4.1
  Top Layer w0.8: v1(29.934,14.77) 29.934,6.066 31.7,4.3 v1(34.9,1.1) ; v1(62.165,5.285) DA1.3@63.06,4.39
  Bottom Layer w0.5: R3.1 R2.2@30.79,14.77 ; v1(34.9,1.1) 52,1.1 56.185,5.285 v1(62.165,5.285)
NetR6_2: R6.2 R11.2 VT1.3 | length 69.6
  Top Layer w2: R11.2 35,37.6 37.9,40.5 48.225,40.5 51.4,43.675 51.4,48.6 49.7,50.3 VT1.3@48.2,50.3
  Bottom Layer w0.8: R11.2@21.505,37.595 26.105,32.995 26.105,19.305 21.8,15 R6.2@21.8,12.885
NetR7_1: R7.1 U1.6 | length 3.3
  Bottom Layer w0.5: U1.6 30.837,11.313 R7.1@34.1,11.313
NetR7_2: R7.2 R9.2 VD5.1 VT1.1 | length 41.4
  Top Layer w0.8: VD5.1@48.048,37.552 VD5.1
  Bottom Layer w0.8: R7.2@34.436,12.9 37.3,12.9 40.9,16.5 40.9,28.5 48.1,35.7 VD5.1 48.063,37.463 46.549,37.463 46.524,37.438 R9.2 ; VT1.1@48.063,45.001 VT1.1@48.276,45.214
  Bottom Layer w2: VD5.1@48.063,37.537 VT1.1@48.063,45.001
NetR8_1: R8.1 R17.2 | length 2.6
  Bottom Layer w1: R8.1 50.8,7.9 R17.2
NetR8_2: R8.2 R18.1 | length 2.2
  Bottom Layer w0.8: R8.2 47.627,8.162 47.627,6.35 47.727,6.25 R18.1
NetR14_1: R14.1 VD9.2 | length 4
  Top Layer w0.5: v1(84.93,11.49) 84.943,11.503 87.879,11.503 VD9.2
  Bottom Layer w0.5: v1(84.93,11.49) R14.1
NetR15_1: R15.1 R16.2 X3.1 | length 5.2
  Bottom Layer w0.5: R15.1 R16.2 84.943,19.561 86.813,19.561 X3.1
NetRT1_2: RT1.2 VD3.1 VD4.1 | length 21.7
  Top Layer w2: VD4.1 31.9,29.655 31.9,20.5 33.984,18.416 34.459,18.416 VD3.1 34.69,18.32 34.94,18.57 34.97,18.57 37.379,20.979 37.379,22.158 RT1.2
NetT1_2: T1.2 VD6.2 VT1.2 | length 54.8
  Top Layer w1.5: VD6.2 50.799,18.376 50.799,20.053 53.587,22.84 T1.2
  Top Layer w2: 34.852,47.716 VT1.2@48.133,47.716
  Bottom Layer w2: VT1.2@48.191,47.84 50.66,47.84 54.3,44.2 54.3,21.877 VD6.2
NetT1_3: T1.3 VD7.2 | length 23.1
  Top Layer w1: VD7.2 52.65,7.6 57.3,12.25 57.3,17.612 57.182,17.73 54.43,17.73 T1.3
  other v2: 57.212,17.7
NetT1_6: T1.6 VD8.2 | length 6.9
  Top Layer w1: T1.6 77.44,17.76 79.5,15.7 VD8.2
NetT1_8: T1.8 VD11.2 | length 15
  Top Layer w1.5: VD11.2@62.542,31.658 67.6,26.6 T1.8

## Polygon pours and split planes (outlines as drawn)
GND_1 on Bottom Layer "GND_1_L02_P001" (solid, pour order 1): 69.455,0.349 69.455,15.249 59.855,24.849 59.855,55.249 89.955,55.249 89.955,0.269
GND_1 on Top Layer "GND_1_L01_P000" (solid, pour order 0): 70.444,0 70.5,0.056 70.5,15 60.8,24.7 60.8,55 91,55 91,0

## Keep-outs
Keep-Out Layer:
  circle w0.254: c3,52 r1.5
  circle w0.254: c88,52 r1.5
  circle w0.254: c88,3 r1.5
  circle w0.254: c3,3 r1.5
  lines w0.254: 0,2.999 0,52 cw(c3,52) 3,55 88,55 cw(c88,52) 91,52 91,3 cw(c88,3) 88,0 ; 0,3 ccw(c3,3) 3,0 ; 2.986,0.004 88,0.004 ; 57.547,23.235 57.547,37.135 cw(c58.547,37.135) 59.547,37.135 59.547,24.035 ; 57.547,30.374 57.547,22.953 67.001,13.499 67.001,13.491 67.001,2.36 ; 59.547,31.284 59.547,23.753 69,14.3 69,2.36 ; 67,2.4 ccw(c68,2.4) 69,2.4 ; 69,13.499 69,13.612

## Other copper
Top Layer:
  pour cut-out: 91,55.013 91,48.007 83.993,48.007 83.993,55
  pour cut-out: 84,6.973 84,0 91,0 91,7.054
Bottom Layer:
  rectangle net GND: 26.6,3 30.8,5.55
  pour cut-out: 83.985,0 83.985,6.999 91,6.999 91,0
  pour cut-out: 84,55 84,48 91,48 91,55

## Silkscreen, mask and mechanical layers (free items; w line width, h text height)
Top Overlay:
  circle w0.254: c3,52 r2.5
  circle w0.254: c88,52 r2.5
  circle w0.254: c88,3 r2.5
  circle w0.254: c3,3 r2.5